# KiCad board IO_SDR_1.1.kicad_pcb (continued)
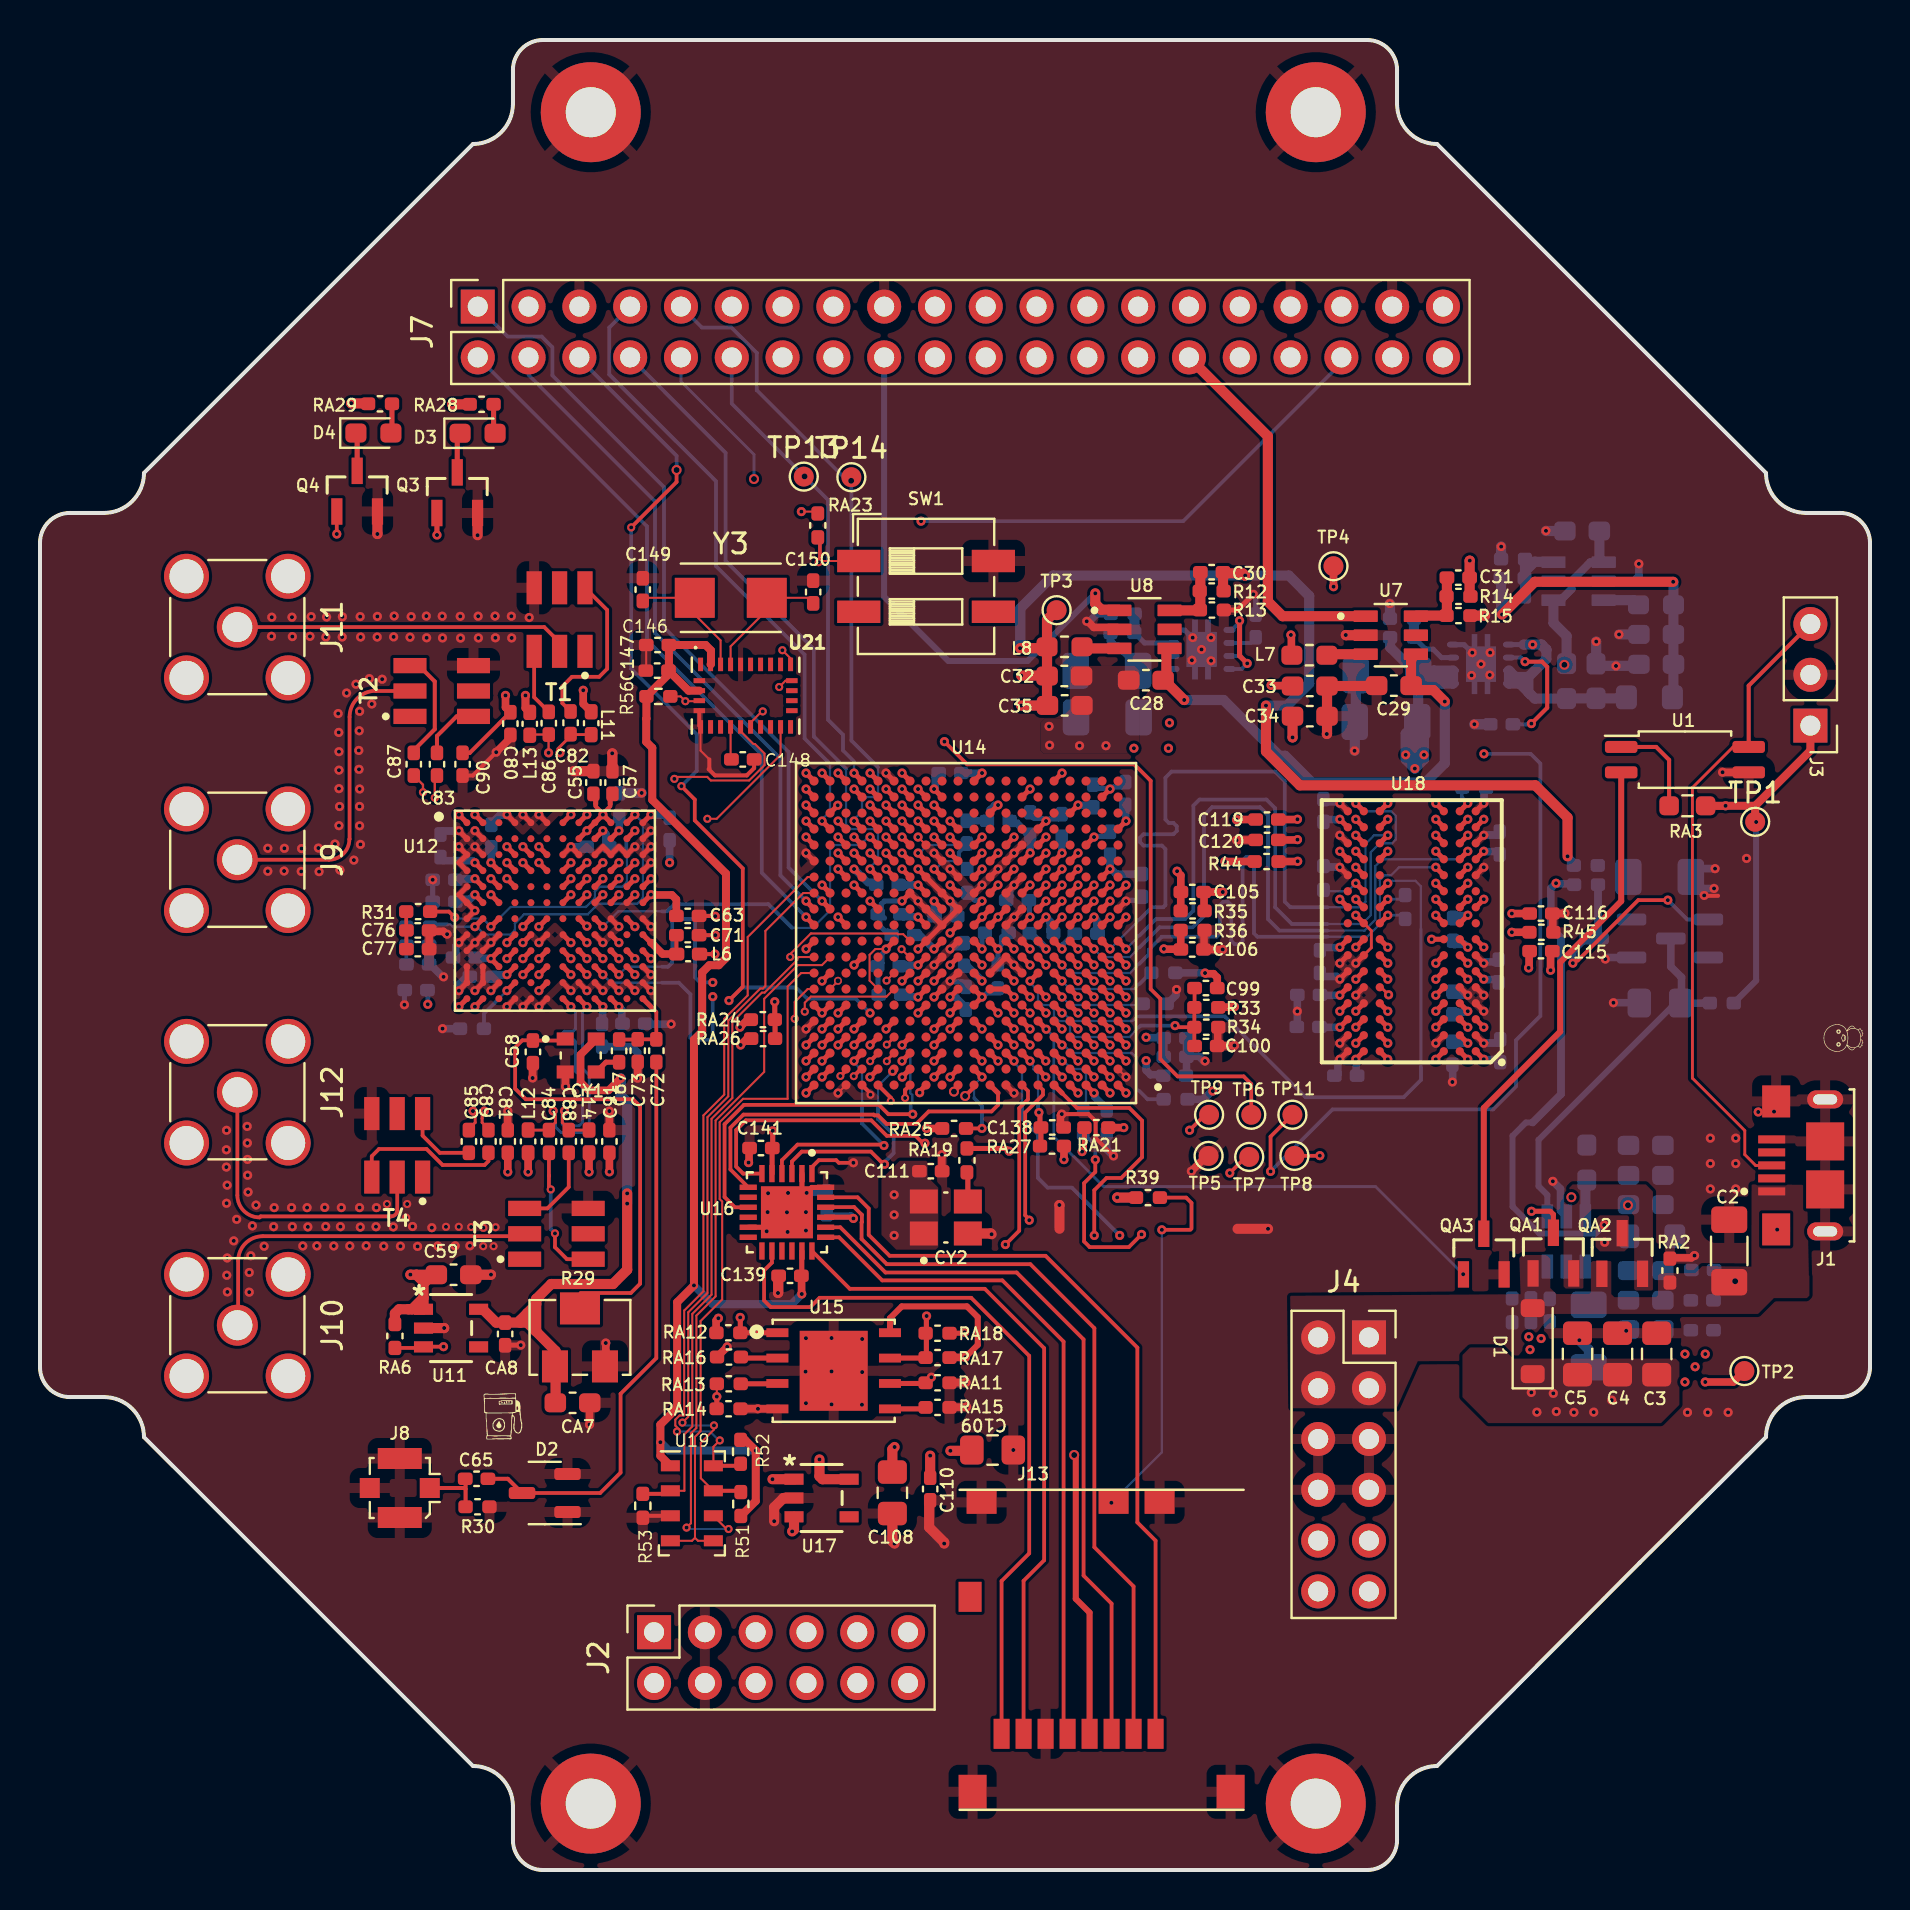
[diagram p0: board, top side]
## Routing (per net, layer and track width the routed paths; a pad name or vN(x,y) marks a point on that pad's centre or on a via; arc(x,y) is an arc through that point) (continued)
/Sheet4/PS-DDR-A3: length 34.9
  Top.Cu w0.254: U14.K3 v1(52.7,46.05) ; U18.N2 v1(71.39,50.94)
  Bottom.Cu w0.113: 54.97,46.13 54.49,45.65 53.1,45.65 v1(52.7,46.05) ; v1(71.39,50.94) 70.99,50.54 67.1,50.54 66.77,50.2 66.77,47.51 66.23,46.97 64.37,46.97
  Bottom.Cu w0.186: 64.37,46.97 61.97,46.97 61.4,47.54 61.4,52.73 60.99,53.14 58.61,53.14 58.2,52.73 58.2,47.71 57.63,47.13 55.98,47.13 54.97,46.13
/Sheet4/PS-DDR-A4: length 35.9
  Top.Cu w0.254: U14.M4 v1(51.9,48.45) ; v1(65.79,51.74) U18.P8
  In4PWR2.Cu w0.113: v1(65.79,51.74) 65.79,51.74 66.12,51.74 66.19,51.81 66.19,53.74 66.89,54.44 68.59,54.44 69,54.03 69.94,54.03 70.11,54.21 70.11,55.96 69.5,56.57 66.71,56.57 66.4,56.27 66.4,55.48 66.33,55.4 65.29,55.4 64.88,55.81 61.17,55.81 60.13,54.77 54.14,54.77 53.96,54.59 53.96,53.31 53.89,53.24 52.93,53.24 52.87,53.18 52.87,52.53 53.61,51.79 53.61,51.04 52.79,50.21 52.79,50.05 52.3,49.57 52.3,48.94 51.9,48.54 v1(51.9,48.45)
/Sheet4/PS-DDR-A5: length 33.9
  Top.Cu w0.254: U18.P2 v1(71.39,51.74) ; U14.L1 v1(54.3,47.65)
  In4PWR2.Cu w0.113: v1(71.39,51.74) 71.79,51.34 73.06,51.34 73.16,51.24 73.16,49.04 73.06,48.94 70.95,48.94 70.15,49.74 69.25,49.74 67.65,51.34 67.21,51.34 66.86,50.99 66.86,49.13 66.67,48.94 64.6,48.94 64.45,48.78 64.45,47.96 64.37,47.88 63.51,47.88 63.4,48 63.4,50.79 63.23,50.96 56.55,50.96 56.37,50.78 56.37,48.37 56.27,48.26 54.92,48.26 v1(54.3,47.65)
/Sheet4/PS-DDR-A6: length 35.2
  Top.Cu w0.254: U14.L4 v1(51.9,47.65) ; v1(65.79,52.54) U18.R8
  In4PWR2.Cu w0.113: v1(65.79,52.54) 65.39,52.94 65.39,54.16 65.78,54.55 66.53,54.55 66.63,54.66 66.63,54.97 66.56,55.05 65.13,55.05 64.75,55.43 61.5,55.43 60.49,54.41 54.29,54.41 54.19,54.31 54.19,53.75 54.26,53.68 54.78,53.68 54.85,53.61 54.85,53.03 54.78,52.96 53.65,52.96 53.45,52.76 53.45,52.38 53.88,51.95 54.73,51.95 54.8,51.88 54.8,51.58 54.73,51.52 53.96,51.52 53.86,51.41 53.86,51.06 53.93,50.98 54.97,50.98 55.07,50.89 55.07,50.61 54.97,50.52 53.41,50.52 53.1,50.21 53.1,49.08 52.86,48.85 52.54,48.85 52.3,48.61 52.3,48.15 52.4,48.05 53.03,48.05 53.1,47.98 53.1,46.77 52.87,46.54 52.38,46.54 51.9,47.02 v1(51.9,47.65)
/Sheet4/PS-DDR-A7: length 35.2
  Top.Cu w0.254: U18.R2 v1(71.39,52.54) ; U14.K4 v1(51.9,46.05)
  In4PWR2.Cu w0.113: v1(51.9,46.05) 50.7,47.25 50.7,49.41 50.94,49.65 51.27,49.65 51.5,49.89 51.5,50.21 51.74,50.45 52.07,50.45 52.42,50.8 52.42,51.05 52.26,51.21 52.26,53.04 52.3,53.08 52.3,54.02 53.78,55.5 59.37,55.5 61.2,57.33 69.91,57.33 70.88,56.37 70.88,53.05 v1(71.39,52.54)
/Sheet4/PS-DDR-A8: length 33.3
  Top.Cu w0.254: U14.K1 v1(54.3,46.05) ; v1(65.79,53.34) U18.T8
  Bottom.Cu w0.113: v1(54.3,46.05) 54.97,46.72 ; v1(65.79,53.34) 65.87,53.34 66.27,52.94 67.55,52.94 67.79,52.7 67.79,51.52 67.61,51.34 66.99,51.34 66.54,50.89 66.54,47.74 66.1,47.3 64.37,47.3
  Bottom.Cu w0.186: 54.97,46.72 55.81,47.55 57.26,47.55 57.67,47.96 57.67,53.22 57.97,53.52 61.32,53.52 61.76,53.09 61.76,48.14 62.59,47.3 64.37,47.3
/Sheet4/PS-DDR-A9: length 35.2
  Top.Cu w0.254: U14.J4 v1(51.9,45.25) ; v1(69.79,52.54) U18.R3
  In4PWR2.Cu w0.113: v1(51.9,45.25) 52.3,45.65 52.3,46.27 51.5,47.06 51.5,49.41 51.74,49.65 52.06,49.65 52.52,50.1 52.52,50.28 53.22,50.98 53.22,51.8 52.92,52.1 52.67,52.1 52.6,52.17 52.6,53.99 53.76,55.15 59.7,55.15 60.69,56.14 64.73,56.14 65.49,56.9 69.61,56.9 70.47,56.04 70.47,52.68 70.32,52.54 v1(69.79,52.54)
/Sheet4/PS-DDR-A10: length 32.9
  Top.Cu w0.254: U18.L7 v1(67.39,49.34) ; U14.F5 v1(51.1,42.85)
  Bottom.Cu w0.113: v1(51.1,42.85) 51.18,42.85 51.58,42.45 54.62,42.45 54.85,42.68 54.97,42.68 ; v1(67.39,49.34) 67.48,49.34 67.6,49.46 68.77,49.46 69.05,49.18 69.05,47.05
  Bottom.Cu w0.156: 69.05,40.11 69.05,47.05
  Bottom.Cu w0.186: 54.97,42.68 59.24,42.68 63.28,38.64 68.18,38.64 69.05,39.5 69.05,40.11
/Sheet4/PS-DDR-A11: length 36.6
  Top.Cu w0.254: U18.R7 v1(67.39,52.54) ; U14.G4 v1(51.9,43.65)
  In2_Sig1.Cu w0.113: v1(51.9,43.65) 51.82,43.65 51.42,44.05 50.94,44.05 50.7,44.28 50.7,44.61 50.47,44.85 50.14,44.85 49.9,45.09 49.9,49.5 49.66,49.74 49.66,50.45 49.9,50.68 49.9,52.61 52.26,54.97 59.28,54.97 59.45,55.14 59.45,56.12 59.61,56.29 59.84,56.29 60.01,56.12 60.01,55.03 60.17,54.86 60.4,54.86 60.56,55.03 60.56,56.12 60.73,56.29 60.95,56.29 61.12,56.12 61.12,55.14 61.29,54.97 66.28,54.97 66.68,54.56 66.68,53.24 v1(67.39,52.54)
/Sheet4/PS-DDR-A12: length 34.9
  Top.Cu w0.254: U18.N7 v1(67.39,50.94) ; U14.E4 v1(51.9,42.05)
  In4PWR2.Cu w0.113: v1(67.39,50.94) 67.98,50.35 67.98,48.29 68.13,48.14 72.78,48.14 72.85,48.06 72.85,47.41 72.78,47.34 68.17,47.34 67.6,46.77 65.44,46.77 65.24,46.56 59.69,46.56 59.46,46.8 56.07,46.8 55.23,45.95 55.23,45.34 54.73,44.85 53.34,44.85 53.1,44.61 53.1,44.28 52.86,44.05 52.54,44.05 52.3,43.81 52.3,43.48 52.06,43.25 51.74,43.25 51.5,43.01 51.5,42.53 51.9,42.13 v1(51.9,42.05)
/Sheet4/PS-DDR-A13: length 37.2
  Top.Cu w0.254: v1(69.79,53.34) U18.T3 ; U14.D4 v1(51.9,41.25)
  In2_Sig1.Cu w0.113: v1(69.79,53.34) 68.59,52.14 66.89,52.14 66.33,52.7 66.33,53.42 65.3,54.45 52.24,54.45 50.7,52.91 50.7,50.69 50.47,50.45 50.14,50.45 49.9,50.21 49.9,49.88 50.14,49.65 50.46,49.65 50.7,49.41 50.7,48.61 50.7,48.61 50.7,45.08 50.94,44.85 51.26,44.85 51.5,44.61 51.5,44.28 51.74,44.05 52.12,44.05 52.3,43.87 52.3,42.68 52.06,42.45 51.74,42.45 51.5,42.21 51.5,41.73 51.9,41.33 v1(51.9,41.25)
/Sheet4/PS-DDR-A14: length 36.3
  Top.Cu w0.254: U14.F4 v1(51.9,42.85) ; U18.T7 v1(67.39,53.34)
  In2_Sig1.Cu w0.113: v1(67.39,53.34) 67.39,56.25 66.05,57.59 58.96,57.59 56.73,55.35 52.31,55.35 49.1,52.15 49.1,45.08 49.34,44.85 49.66,44.85 49.9,44.61 49.9,44.29 50.14,44.05 50.46,44.05 50.7,43.81 50.7,43.49 50.94,43.25 51.42,43.25 51.82,42.85 v1(51.9,42.85)
/Sheet4/PS-DDR-BA0: length 36.3
  Top.Cu w0.254: U18.M2 v1(71.39,50.14) ; U14.L5 v1(51.1,47.65)
  In2_Sig1.Cu w0.113: v1(71.39,50.14) 71.79,49.74 72.58,49.74 72.73,49.89 72.73,50.93 73.19,51.39 74.61,51.39 74.91,51.08 74.91,46.03 74.62,45.74 70.38,45.74 70.04,46.08 69.24,46.08 68.27,47.05 61.2,47.05 60.69,47.56 55.16,47.56 54.67,48.05 51.5,48.05 v1(51.1,47.65)
/Sheet4/PS-DDR-BA1: length 36.8
  Top.Cu w0.254: U14.R4 v1(51.9,50.85) ; v1(65.79,50.94) U18.N8
  In2_Sig1.Cu w0.113: 64.81,50.54 66.9,50.54 66.99,50.62 66.99,51.04 66.93,51.11 66.03,51.11 65.86,50.94 v1(65.79,50.94) ; v1(51.9,50.85) 51.9,51.97 53.35,53.42 53.86,53.42 54.11,53.67 56.32,53.67 56.48,53.51 56.48,52.23 56.65,52.07 56.88,52.07 57.04,52.23 57.04,53.62 57.21,53.79 57.43,53.79 57.6,53.62 57.6,52.23 57.77,52.07 57.99,52.07 58.16,52.23 58.16,53.62 58.33,53.79 58.55,53.79 58.72,53.62 58.72,52.43 58.88,52.27 59.11,52.27 59.27,52.43 59.27,53.62 59.44,53.79 59.67,53.79 59.83,53.62 59.83,53.16 60,52.99 60.22,52.99 60.39,53.16 60.39,53.62 60.56,53.79 60.78,53.79 60.95,53.62 60.95,52.23 61.12,52.07 61.34,52.07 61.51,52.23 61.51,53.62 61.67,53.79 61.9,53.79 62.07,53.62 62.07,53.13 62.23,52.97 62.46,52.97 62.62,53.13 62.62,53.51 62.79,53.67 63.76,53.67 63.94,53.5 63.94,50.75 64.16,50.54 64.81,50.54
/Sheet4/PS-DDR-BA2: length 35
  Top.Cu w0.254: U14.J5 v1(51.1,45.25) ; v1(69.79,50.14) U18.M3
  Bottom.Cu w0.113: v1(51.1,45.25) 51.5,44.85 54.51,44.85 54.97,45.32 ; 64.37,46.66 66.35,46.66 66.99,47.3 66.99,49.5 67.23,49.74 67.55,49.74 67.95,50.14 v1(69.79,50.14)
  Bottom.Cu w0.186: 54.97,45.32 55.43,45.78 55.43,46 56.09,46.66 58.83,46.66 59,46.83 59,48.24 59.17,48.41 59.39,48.41 59.56,48.24 59.56,46.46 59.73,46.29 59.96,46.29 60.13,46.46 60.13,50.48 60.3,50.65 60.53,50.65 60.7,50.48 60.7,46.83 60.87,46.66 64.37,46.66
/Sheet4/PS-DDR-CAS: length 36.7
  Top.Cu w0.254: U14.P5 v1(51.1,50.05) ; v1(69.79,48.54) U18.K3
  In2_Sig1.Cu w0.113: v1(69.79,48.54) 69.36,48.96 69.36,50.33 69.16,50.54 67.22,50.54 66.42,49.74 63.97,49.74 63.59,50.12 63.59,51.74 63.31,52.02 62.49,52.02 62.16,51.69 60.39,51.69 60.08,52 59.55,52 59.29,51.74 56.02,51.74 55.86,51.9 55.86,52.91 55.69,53.09 55.41,53.09 55.33,53.01 55.33,50.98 55.23,50.88 54.26,50.88 54.14,51.01 54.14,51.36 54.24,51.46 54.55,51.46 54.7,51.62 54.7,53.06 54.56,53.2 53.64,53.2 53.58,53.13 53.58,50.91 53.43,50.75 52.81,50.75 52.74,50.82 52.74,51.11 52.89,51.26 53.08,51.26 53.15,51.33 53.15,52.2 53.02,52.33 52.74,52.33 52.3,51.89 52.3,50.52 52.24,50.45 51.59,50.45 51.18,50.05 v1(51.1,50.05)
/Sheet4/PS-DDR-CKE: length 35.3
  Top.Cu w0.254: U14.N3 v1(52.7,49.25) ; v1(64.99,48.54) U18.K9
  In2_Sig1.Cu w0.113: v1(52.7,49.25) 52.69,49.26 52.37,49.26 52.31,49.32 52.31,49.79 52.71,50.19 53.03,50.19 53.1,50.13 53.1,49.74 53.19,49.65 53.79,49.65 54.19,50.04 55.96,50.04 56.07,49.94 56.07,49.41 55.96,49.31 55.08,49.31 54.97,49.2 54.97,48.92 55.48,48.42 56.38,48.42 56.55,48.59 56.55,49.09 56.71,49.26 56.94,49.26 57.1,49.09 57.1,48.45 57.27,48.29 57.49,48.29 57.66,48.45 57.66,50.87 57.83,51.03 58.05,51.03 58.22,50.87 58.22,48.59 58.39,48.42 60.01,48.42 60.18,48.59 60.18,49.96 60.35,50.13 60.57,50.13 60.74,49.96 60.74,48.42 60.9,48.25 61.13,48.25 61.29,48.42 61.29,50.47 61.46,50.64 61.69,50.64 61.85,50.47 61.85,47.9 62.02,47.74 62.24,47.74 62.41,47.9 62.41,48.48 62.58,48.65 62.8,48.65 62.97,48.48 62.97,47.9 63.14,47.74 63.36,47.74 63.53,47.9 63.53,48.25 63.69,48.42 64.02,48.42 64.13,48.52 64.97,48.52 v1(64.99,48.54)
/Sheet4/PS-DDR-CS: length 33.8
  Top.Cu w0.254: U14.N1 v1(54.3,49.25) ; U18.L2 v1(71.39,49.34)
  In4PWR2.Cu w0.113: v1(54.3,49.25) 55.73,49.25 56.08,49.6 56.08,51.03 57.08,52.02 57.55,52.02 57.68,52.15 57.68,53.16 57.81,53.29 57.98,53.29 58.11,53.16 58.11,51.38 58.24,51.25 58.41,51.25 58.54,51.38 58.54,53.16 58.67,53.29 58.85,53.29 58.97,53.16 58.97,52.15 59.1,52.02 60.7,52.02 60.83,51.89 60.83,51.49 60.96,51.36 61.13,51.36 61.26,51.49 61.26,51.89 61.39,52.02 63.58,52.02 63.69,51.92 63.69,50.65 64.6,49.74 66,49.74 66.63,50.37 66.63,51.11 66.99,51.47 66.99,52.7 67.22,52.94 68.24,52.94 68.36,52.81 68.36,51.36 69.19,50.54 70.19,50.54 v1(71.39,49.34)
/Sheet4/PS-DDR-ODT: length 35.8
  Top.Cu w0.254: U14.N5 v1(51.1,49.25) ; U18.K1 v1(72.19,48.54)
  In2_Sig1.Cu w0.113: v1(72.19,48.54) 72.11,48.54 71.71,48.14 71.22,48.14 70.93,48.43 70.93,53.36 70.86,53.43 70.41,53.43 70.34,53.36 70.34,51.51 70.16,51.34 64.65,51.34 64.37,51.61 64.37,53.75 64.04,54.08 54.14,54.08 53.7,53.65 53.04,53.65 51.5,52.11 51.5,50.68 51.27,50.45 50.94,50.45 50.7,50.21 50.7,49.73 51.1,49.33 v1(51.1,49.25)
/Sheet4/PS-DDR-RAS: length 36.9
  Top.Cu w0.254: v1(69.79,47.74) U18.J3 ; U14.P4 v1(51.9,50.05)
  In2_Sig1.Cu w0.113: v1(51.9,50.05) 52.24,50.05 52.64,50.45 55.38,50.45 56.32,51.39 58.3,51.39 58.63,51.06 58.63,49.94 58.76,49.81 59.7,49.81 59.8,49.92 59.8,50.73 60.44,51.36 62.16,51.36 62.26,51.26 62.26,49.04 62.37,48.94 62.85,48.94 62.92,49.01 62.92,49.48 63.08,49.64 63.43,49.64 63.59,49.48 63.59,49.06 63.71,48.94 66.21,48.94 66.28,48.87 66.28,47.78 66.38,47.68 66.84,47.68 66.94,47.78 66.94,48.81 67.07,48.94 67.73,48.94 67.88,49.09 67.88,50.17 67.98,50.27 68.23,50.27 68.31,50.19 68.31,48.44 68.18,48.32 67.94,48.32 67.88,48.25 67.88,47.63 67.94,47.57 68.65,47.57 68.72,47.63 68.72,50 68.78,50.07 69.05,50.07 69.14,49.98 69.14,47.8 69.2,47.74 v1(69.79,47.74)
/Sheet4/PS-DDR-WE: length 36.6
  Top.Cu w0.254: U14.M5 v1(51.1,48.45) ; v1(69.79,49.34) U18.L3
  In2_Sig1.Cu w0.113: v1(69.79,49.34) 70.19,48.94 70.19,47.96 70.9,47.25 72.63,47.25 72.75,47.38 72.75,49.31 72.91,49.46 74.15,49.46 74.25,49.35 74.25,46.41 73.95,46.11 73.01,46.11 72.37,46.74 70.21,46.74 69.62,47.34 61.52,47.34 60.9,47.96 55.51,47.96 54.62,48.85 51.5,48.85 v1(51.1,48.45)
/Sheet4/XTAL111: length 1.4
  Top.Cu w0.254: CY2.3 46.39,34.84
BNO_boot: length 24.4
  Top.Cu w0.102: 32.94,58.44 v3(32.27,58.44) 32.03,58.68 R56.2 ; 42.7,44.84 v3(42.33,44.47)
  In1.GND1.Cu w0.102: v3(32.27,58.44) 35.08,55.63 35.08,47.41 35.25,47.23 35.25,45.22 36.62,43.85 41.71,43.85 v3(42.33,44.47)
BNO_RESET: length 17.9
  Top.Cu w0.102: 35.53,57.37 36.09,57.93 v3(36.14,57.93) ; v4(39.9,44.46) 39.9,44.44 U14.G19
  In1.GND1.Cu w0.102: v4(39.9,44.46) 39.46,44.9 36.94,44.9 36.14,45.7 v3(36.14,57.93)
CD: length 38.7
  Top.Cu w0.186: R39.2 57.31,33.62 57.57,33.35 57.57,32.07 ; v1(56.09,32.01) 57.52,32.01
  Top.Cu w0.254: v1(43.11,39.64) 43.11,39.66 U14.B14
  In4PWR2.Cu w0.113: v1(56.09,32.01) 55.36,32.74 50.79,32.74 49.84,33.7 44.4,33.7 42.9,35.2 42.9,39.43 v1(43.11,39.64)
  Bottom.Cu w0.113: v3(53.57,18.36) 56.09,20.88 v1(56.09,32.01)
CSB: length 34.8
  Top.Cu w0.102: 32.75,16.61 32.75,21.66 33.03,21.94 33.03,27.45 34.11,28.53 34.11,33.42 33.98,33.55 33.98,37.39 35.15,38.56 37.38,38.56 37.38,44.17 38.06,44.85 U14.H20 ; 32.75,16.61 32.9,16.46 U19.5 ; 32.75,16.61 32.6,16.46 U19.4
CTRL_IN0: length 33.5
  Top.Cu w0.254: v1(24.15,51.17) U12.C5 ; v1(40.7,42.05) U14.E17
  In4PWR2.Cu w0.113: v1(40.7,42.05) 40.3,41.65 40.3,41.29 40.3,41.29 40.3,41.08 40.06,40.85 39.74,40.85 39.5,40.61 39.5,40.28 39.27,40.05 39.06,40.05 39.06,40.05 37.79,40.05 37.3,39.55 32.4,39.55 31.15,40.8 24.42,40.8 22.15,43.07 22.15,44.13 21.91,44.36 21.58,44.36 21.35,44.6 21.35,49.73 21.58,49.97 21.91,49.97 22.15,50.2 22.15,50.53 22.38,50.77 23.66,50.77 24.06,51.17 v1(24.15,51.17)
CTRL_IN1: length 30.5
  Top.Cu w0.254: v1(39.9,41.25) U14.D18 ; v1(24.95,51.17) U12.C6
  In4PWR2.Cu w0.113: v1(24.95,51.17) 24.86,51.17 24.46,50.77 23.98,50.77 23.75,50.53 23.75,50.21 23.51,49.97 23.18,49.97 22.95,49.73 22.95,49.4 22.71,49.17 22.38,49.17 22.15,48.93 22.15,44.6 22.38,44.36 22.71,44.36 22.95,44.13 22.95,42.83 23.22,42.55 24.62,41.15 31.22,41.15 32.41,39.96 37.02,39.96 37.9,40.85 39.42,40.85 39.82,41.25 v1(39.9,41.25)
CTRL_IN2: length 27.3
  Top.Cu w0.254: v1(39.9,42.05) U14.E18 ; v1(24.95,50.37) U12.D6
  In4PWR2.Cu w0.113: v1(24.95,50.37) 25.34,49.97 25.34,48.13 24.55,47.33 24.55,46.21 24.31,45.97 23.98,45.97 23.75,45.73 23.75,44.6 23.98,44.36 24.31,44.36 24.55,44.13 24.55,42.85 25.18,42.22 30.95,42.22 31.44,41.73 31.46,41.73 32.5,40.7 36.38,40.7 38.13,42.45 39.5,42.45 v1(39.9,42.05)
CTRL_IN3: length 26.9
  Top.Cu w0.254: v1(39.1,42.05) U14.E19 ; v1(24.15,50.37) U12.D5
  In4PWR2.Cu w0.113: v1(24.15,50.37) 24.15,50.28 23.75,49.89 23.75,49.41 23.51,49.17 23.18,49.17 22.95,48.93 22.95,44.6 23.18,44.36 23.51,44.36 23.75,44.13 23.75,42.81 25.12,41.44 31.34,41.44 32.4,40.38 36.83,40.38 38.09,41.65 38.63,41.65 39.03,42.05 v1(39.1,42.05)
DONE: length 80
  Top.Cu w0.186: v1(45.22,56.42) 46.36,55.28 54.71,55.28 55.53,54.46 55.53,44.05 56.02,43.57 56.02,40.54 56.88,39.68 60.18,39.68 60.56,39.3 TP6.1 ; v1(14.84,66.8) 14.84,67.92
  Top.Cu w0.254: v1(45.5,50.85) 45.9,50.45
  In2_Sig1.Cu w0.113: v1(45.5,50.85) 45.1,51.25 45.1,51.81 44.86,52.05 44.54,52.05 44.3,52.29 44.3,55.92 41.74,58.48 36.09,58.48 26.65,67.92 16.01,67.92 14.89,66.8 v1(14.84,66.8)
  In4PWR2.Cu w0.113: v1(45.5,50.85) 45.5,50.9 45.1,51.3 45.1,56.11 45.17,56.18 45.17,56.36 v1(45.22,56.42)
EXT_CLK_EN: length 133.2
  Top.Cu w0.186: RA6.2 19.12,26.1 ; 19.18,26.17 v1(20.18,26.17)
  In4PWR2.Cu w0.113: 18.42,66.55 18.42,69.58 20.33,71.48 41.64,71.48 42.12,71 42.12,69.37 v1(44.05,67.44)
  In4PWR2.Cu w0.186: 18.42,66.55 18.42,65.15 19.14,64.44 25.73,64.44 26.75,63.42 26.75,59.22 25.81,58.28 21.57,58.28 20.75,59.1 19.26,59.1 17.9,57.74 17.9,45.19 17.1,44.39 17.1,37.13 18.41,35.82 28.56,35.82 29.19,35.19 29.19,34.68 28.25,33.74 28.25,31.72 26.91,30.38 21.59,30.38 20.88,29.67 20.88,26.87 v1(20.18,26.17)
  Bottom.Cu w0.186: 65.07,75.35 57.16,67.44 v1(44.05,67.44)
EXTSYN: length 28.7
  Top.Cu w0.102: v3(31.72,54.56) 31.82,54.66 33.36,54.66 33.54,54.48 35.46,54.48 36.23,55.25 36.23,55.82 35.75,56.3 35.67,56.3 35.03,56.94 ; v3(38.24,42.92) 38.24,43.36 38.55,43.67 42.32,43.67 U14.G15
  In1.GND1.Cu w0.102: v3(38.24,42.92) 36.69,42.92 36.36,43.26 36.36,43.82 35.05,45.13 35.05,47.15 34.85,47.35 34.85,53.35 33.64,54.56 v3(31.72,54.56)
FPGA-REST: length 4.9
  Top.Cu w0.254: U14.C7 v1(49.5,40.45) ; 50,37.18 50,37.83 v1(49.95,37.88) ; 50.05,36.24 C138.1
  Bottom.Cu w0.113: v1(49.5,40.45) 49.5,40.37 49.67,40.2 49.67,40.04 49.9,39.81 49.9,39.81 49.9,39.49 49.9,39.48 49.9,38.28
  Bottom.Cu w0.186: v1(49.95,37.88) 49.9,37.92 49.9,38.28
H-INT: length 21.3
  Top.Cu w0.102: U21.14 37.03,55.76 33.83,52.56 v3(33.37,52.56) ; U14.G20 38.38,44.05 37.74,43.4 v3(37.74,42.56)
  In1.GND1.Cu w0.102: v3(37.74,42.56) 36.76,42.56 36.15,43.17 36.15,43.72 34.85,45.03 34.85,47.07 34.6,47.31 34.6,49.32 34.65,49.37 34.65,52.07 34.16,52.56 v3(33.37,52.56)
H_RX: length 22
  Top.Cu w0.102: U21.19 37.28,59.47 v3(36.96,59.15) ; U14.K14 43.16,46.79 42.89,46.79 42.86,46.83 38.54,46.83 37.51,45.79 v3(37.51,45.65)
  In1.GND1.Cu w0.102: v3(36.96,59.15) 37.33,58.78 37.33,57.16 36.34,56.17 36.34,46.82 v3(37.51,45.65)
H_TX: length 26.8
  Top.Cu w0.102: U21.20 37.53,60.58 v3(37.12,60.99) ; 43.47,45.65 v3(43.08,46.04)
  In1.GND1.Cu w0.102: v3(43.08,46.04) 41.1,44.06 39.72,44.06 39.71,44.07 36.69,44.07 35.46,45.3 35.46,59.33 v3(37.12,60.99)
IO_02_34_AD9361_CLKOUT: length 18.8
  Top.Cu w0.254: v1(40.7,49.25) U14.N17 ; v1(24.95,45.57) U12.J6
  In4PWR2.Cu w0.113: v1(40.7,49.25) 40.3,48.85 33.26,48.85 31.99,47.58 26.39,47.58 25.87,47.05 25.87,46.41 25.03,45.57 v1(24.95,45.57)
IO_02_34_AD9361_RST: length 19.8
  Top.Cu w0.254: v1(39.9,50.05) U14.P18 ; v1(24.15,44.77) U12.K5
  In4PWR2.Cu w0.113: v1(39.9,50.05) 39.5,49.65 38.62,49.65 38.45,49.48 33.25,49.48 31.68,47.9 26.4,47.9 25.64,47.15 25.64,46.5 25.11,45.97 24.78,45.97 24.54,45.73 24.54,45.16 v1(24.15,44.77)
IO_L01_34_FB_CLK: length 17.1
  Top.Cu w0.254: v1(42.3,50.05) U14.P15 ; U12.F10 v1(28.95,48.77)
  In4PWR2.Cu w0.113: v1(42.3,50.05) 42.24,50.11 42.03,50.11 41.69,50.45 41.34,50.45 41.1,50.68 41.1,51.01 40.87,51.25 40.54,51.25 40.3,51.48 40.3,51.81 40.07,52.05 39.26,52.05 38.47,51.25 33.3,51.25 31.8,49.75 31.35,49.75 30.77,49.17 29.35,49.17 v1(28.95,48.77)
IO_L01_34_RX_D0: length 29.4
  Top.Cu w0.254: v1(43.9,53.25) U14.V13 ; U12.K11 v1(29.75,44.77)
  In2_Sig1.Cu w0.113: v1(43.9,53.25) 43.9,53.16 43.5,52.77 43.5,51.49 43.26,51.25 42.94,51.25 42.7,51.01 42.7,50.68 42.46,50.45 42.14,50.45 41.9,50.21 41.9,49.88 40.79,48.78 40.47,48.78 39.19,47.5 39.19,47.36 39.5,47.04 39.5,46.9 39.29,46.69 39.15,46.69 38.6,47.24 38.46,47.24 38.25,47.03 38.25,46.89 38.35,46.8 38.35,46.66 37.9,46.21 37.9,45.44 37.45,44.99 33.23,44.99 33.03,44.78 33.03,43.82 32.93,43.72 30.92,43.72 30.77,43.57 28.78,43.57 28.55,43.8 28.55,44.14 28.78,44.37 30.81,44.37 30.94,44.5 30.94,44.99 30.77,45.16 29.82,45.16 29.75,45.1 29.75,44.77 v1(29.75,44.77)
IO_L01_34_RX_D1: length 29.7
  Top.Cu w0.254: 30.15,45.97 v1(30.55,45.57) ; v1(43.1,51.65) U14.T14
  In2_Sig1.Cu w0.113: v1(43.1,51.65) 43.02,51.65 42.62,51.25 42.14,51.25 41.9,51.01 41.9,50.68 41.67,50.45 41.51,50.45 41.51,50.45 40.54,50.45 40.3,50.21 40.3,49.88 40.06,49.65 39.74,49.65 39.5,49.41 39.5,48.21 39.28,47.99 38.85,47.99 38.7,48.13 38.7,48.69 38.54,48.85 38.14,48.85 37.9,48.61 37.9,47.85 37.84,47.78 37.35,47.78 37.25,47.68 37.25,47.4 37.35,47.3 37.75,47.3 37.86,47.2 37.86,46.69 37.44,46.27 37.31,46.27 37.18,46.14 37.18,45.8 37.05,45.67 36.88,45.67 36.75,45.8 36.75,46.57 36.62,46.7 36.45,46.7 36.32,46.57 36.32,45.41 36.19,45.28 36.02,45.28 35.89,45.41 35.89,46.51 35.76,46.64 35.58,46.64 35.46,46.51 35.46,45.41 35.33,45.28 35.15,45.28 35.02,45.41 35.02,46.51 34.89,46.64 34.72,46.64 34.59,46.51 34.59,46.4 34.46,46.27 33.46,46.27 33.36,46.17 33.36,45.67 33.26,45.57 32.77,45.57 32.64,45.7 32.64,45.91 32.51,46.04 32.34,46.04 32.21,45.91 32.21,44.69 32.08,44.56 31.91,44.56 31.78,44.69 31.78,45.44 31.65,45.57 v1(30.55,45.57)
IO_L02_34_RX_D2: length 26.6
  Top.Cu w0.254: U12.K10 v1(28.95,44.77) ; v1(43.9,52.45) U14.U13
  In2_Sig1.Cu w0.113: v1(33.64,44.38) 33.71,44.38 34.1,44.77 37.68,44.77 41,48.1 41,48.51 41.99,49.5 42.32,49.5 42.7,49.88 42.7,50.21 42.94,50.45 43.26,50.45 43.5,50.68 43.5,51.12 43.63,51.25 44.07,51.25 44.3,51.48 44.3,51.97 43.9,52.36 v1(43.9,52.45)
  Bottom.Cu w0.113: v1(28.95,44.77) 29.34,45.16 31.1,45.16
  Bottom.Cu w0.186: v1(33.64,44.38) 33,44.38 32.75,44.63 32.75,47.44 32.64,47.55 31.72,47.55 31.61,47.44 31.61,45.37 31.4,45.16 31.1,45.16
IO_L02_34_RX_D3: length 28.3
  Top.Cu w0.254: v1(44.7,52.45) U14.U12 ; U12.J11 v1(29.75,45.57)
  In4PWR2.Cu w0.113: v1(44.7,52.45) 44.3,52.05 44.3,50.69 44.06,50.45 43.74,50.45 43.5,50.21 43.5,49.88 42.13,48.51 42.13,48.19 41.66,47.72 41.66,47.58 41.78,47.46 41.78,47.32 41.57,47.11 41.43,47.11 41.31,47.23 41.17,47.23 40.96,47.02 40.96,46.88 41.08,46.76 41.08,46.62 40.87,46.41 40.73,46.41 40.37,46.77 40.23,46.77 40.02,46.57 40.02,46.43 40.38,46.07 40.38,45.93 40.17,45.72 40.03,45.72 38.97,46.77 38.83,46.77 38.62,46.57 38.62,46.43 39.42,45.62 39.42,45.49 39.38,45.45 38.52,45.45 38.24,45.17 33.16,45.17 33.05,45.06 33.05,44.01 32.94,43.9 32.6,43.9 32.49,44.01 32.49,45.57 32.38,45.68 32.05,45.68 31.93,45.57 31.93,45.28 31.82,45.17 30.14,45.17 v1(29.75,45.57)
IO_L03_34_RX_D4: length 26.2
  Top.Cu w0.254: U12.K9 v1(28.15,44.77) ; v1(44.7,51.65) U14.T12
  In2_Sig1.Cu w0.113: v1(33.64,43.67) 34.53,44.56 37.76,44.56 41.14,47.93 41.55,47.93 43.5,49.88 43.5,50.21 43.74,50.45 44.06,50.45 44.3,50.68 44.3,51.16 44.7,51.57 v1(44.7,51.65)
  Bottom.Cu w0.113: v1(28.15,44.77) 28.55,44.36 31.1,44.36
  Bottom.Cu w0.186: 31.1,44.36 31.94,44.36 32.52,43.79 32.52,41.62 32.63,41.51 33.53,41.51 33.64,41.62 v1(33.64,43.67)
IO_L03_34_RX_D5: length 27
  Top.Cu w0.254: U12.J10 v1(28.95,45.57) ; U14.T10 v1(47.1,51.65)
  In4PWR2.Cu w0.113: v1(47.1,51.65) 47.02,51.65 45.82,50.45 44.54,50.45 44.3,50.21 44.3,49.88 44.06,49.65 43.74,49.65 42.63,48.54 42.63,47.86 41.09,46.32 41.09,44.71 40.3,43.92 34.35,43.92 34.03,43.6 34.03,43.51 33.4,42.88 29.34,42.88 29.34,45.17 v1(28.95,45.57)
IO_L04_34_RX_D6: length 29
  Top.Cu w0.254: 26.95,45.17 v1(27.35,44.77) ; v1(45.5,51.65) U14.T11
  In2_Sig1.Cu w0.113: v1(45.5,51.65) 45.9,51.25 45.9,50.68 45.66,50.45 45.34,50.45 45.1,50.21 45.1,49.88 44.86,49.65 43.74,49.65 42.66,48.57 42.66,47.72 42.31,47.38 42.17,47.38 41.81,47.74 41.67,47.74 41.47,47.53 41.47,47.39 41.82,47.03 41.82,46.89 41.62,46.68 41.48,46.68 41.04,47.11 40.9,47.11 40.69,46.9 40.69,46.76 41.13,46.33 41.13,46.19 41.09,46.15 39.82,46.15 37.56,43.89 34.18,43.89 34.03,43.74 34.03,43.51 33.8,43.28 33.48,43.28 33.32,43.44 31.51,43.44 30.83,42.77 28.78,42.77 28.54,43 28.54,43.33 28.31,43.57 27.98,43.57 27.74,43.81 27.74,44.37 v1(27.35,44.77)
IO_L04_34_RX_D7: length 29.5
  Top.Cu w0.254: U12.J9 v1(28.15,45.57) ; v1(42.3,51.65) U14.T15
  In2_Sig1.Cu w0.113: 40.3,50.68 40.3,51.01 ; 40.3,50.68 40.06,50.45 39.74,50.45 39.5,50.21 39.5,49.88 39.26,49.65 38.62,49.65 37.16,48.19 37.06,48.19 36.94,48.06 36.94,47.12 36.81,46.99 36.63,46.99 36.5,47.12 36.5,48.18 36.37,48.31 36.2,48.31 36.07,48.18 36.07,47.06 35.94,46.93 35.77,46.93 35.64,47.06 35.64,48.18 35.51,48.31 35.34,48.31 35.21,48.18 35.21,47.06 35.08,46.93 34.91,46.93 34.78,47.06 34.78,48.06 34.65,48.19 33.71,48.19 33.26,47.74 33.26,47.55 33.55,47.27 33.55,47.08 33.43,46.96 33.24,46.96 32.84,47.36 32.66,47.36 32.54,47.24 32.54,47.06 32.96,46.63 32.96,46.45 32.84,46.33 32.66,46.33 32.35,46.64 32.16,46.64 31.49,45.96 29.48,45.96 29.35,45.83 29.35,45.32 29.19,45.17 27.81,45.17 27.75,45.23 27.75,45.42 27.85,45.53 28.11,45.53 v1(28.15,45.57) ; 40.3,50.68 40.3,51.01 ; 40.3,51.01 40.54,51.25 41.82,51.25 42.22,51.65 v1(42.3,51.65)
IO_L4N_TO_35: length 43
  Top.Cu w0.254: v1(38.3,41.25) U14.D20
  In2_Sig1.Cu w0.113: v1(38.3,41.25) 38.39,41.25 38.78,41.65 39.26,41.65 39.5,41.89 39.5,42.21 39.74,42.45 40.07,42.45 40.52,42.91 40.52,43.72 42.69,45.89 42.69,46.21 42.46,46.43 42.46,46.5 43.01,47.05 44.74,47.05 46.15,48.45 46.15,49.27 46.58,49.7 46.58,60.93 44.97,62.54 44.97,70.33 J7.16
IO_L4P_TO_35: length 46.2
  Top.Cu w0.254: v1(39.1,41.25) U14.D19
  In2_Sig1.Cu w0.113: v1(39.1,41.25) 39.19,41.25 39.58,41.65 40.06,41.65 40.3,41.89 40.3,42.21 40.87,42.78 40.87,43.52 42.18,44.83 42.51,44.83 43.51,45.84 43.51,46.21 44.02,46.72 44.81,46.72 46.44,48.35 46.44,49.15 46.94,49.65 47.26,49.65 47.5,49.88 47.5,68.8 43.73,72.57 43.73,75.17
  In2_Sig1.Cu w0.142: J7.15 41.19,76.65 42.63,76.65 43.73,75.56 43.73,75.17
IO_L05_34_RX_D8: length 29.8
  Top.Cu w0.254: v1(44.7,53.25) U14.V12 ; 26.15,45.17 v1(26.55,44.77)
  In2_Sig1.Cu w0.113: v1(44.7,53.25) 45.05,52.9 45.62,52.9 46.13,52.39 46.13,50.11 45.67,49.65 45.34,49.65 45.1,49.41 44.67,49.41 44.1,48.85 43.74,48.85 43.5,48.61 43.5,48.25 40.95,45.7 39.81,45.7 36.85,42.74 34.38,42.74 34.29,42.83 31.4,42.83 30.97,42.4 28.35,42.4 27.74,43.01 27.74,43.33 27.51,43.57 27.18,43.57 26.94,43.81 26.94,44.28 26.55,44.68 v1(26.55,44.77)
IO_L05_34_RX_D9: length 29.5
  Top.Cu w0.254: 26.95,45.97 v1(27.35,45.57) ; v1(43.9,54.05) U14.W13
  In2_Sig1.Cu w0.113: v1(43.9,54.05) 43.5,53.65 42.07,53.65 41.9,53.48 41.9,53.08 42.14,52.85 42.57,52.85 42.7,52.72 42.7,52.17 42.58,52.05 40.54,52.05 40.3,51.81 40.3,51.48 40.06,51.25 39.74,51.25 37.09,48.6 33.49,48.6 31.66,46.76 30.38,46.76 30.15,46.54 29.68,46.54 29.11,45.96 27.01,45.96 26.95,46.03 26.95,46.53 26.56,46.92 25.56,46.92 25.41,46.77 25.41,46.19 26.04,45.56 26.04,45.32 26.2,45.17 27.28,45.17 27.35,45.23 v1(27.35,45.57)
IO_L06_34_RX_D10: length 27.6
  Top.Cu w0.254: 26.15,45.97 v1(26.55,45.57) ; v1(43.1,50.05) U14.P14
  In4PWR2.Cu w0.113: v1(26.55,45.57) 26.95,45.97 32.45,45.97 32.75,46.27 34.64,46.27 34.75,46.38 34.75,47.43 34.86,47.54 35.2,47.54 35.31,47.43 35.31,45.57 35.42,45.46 35.76,45.46 35.87,45.57 35.87,47.43 35.98,47.54 36.32,47.54 36.43,47.43 36.43,45.57 36.54,45.46 36.87,45.46 36.99,45.57 36.99,46.16 37.1,46.27 37.68,46.27 38.48,47.07 40.69,47.07 41.9,48.28 41.9,48.76 43.1,49.97 v1(43.1,50.05)